# KiCad board PMK_Keyboard_02.kicad_pro.kicad_pcb (continued)
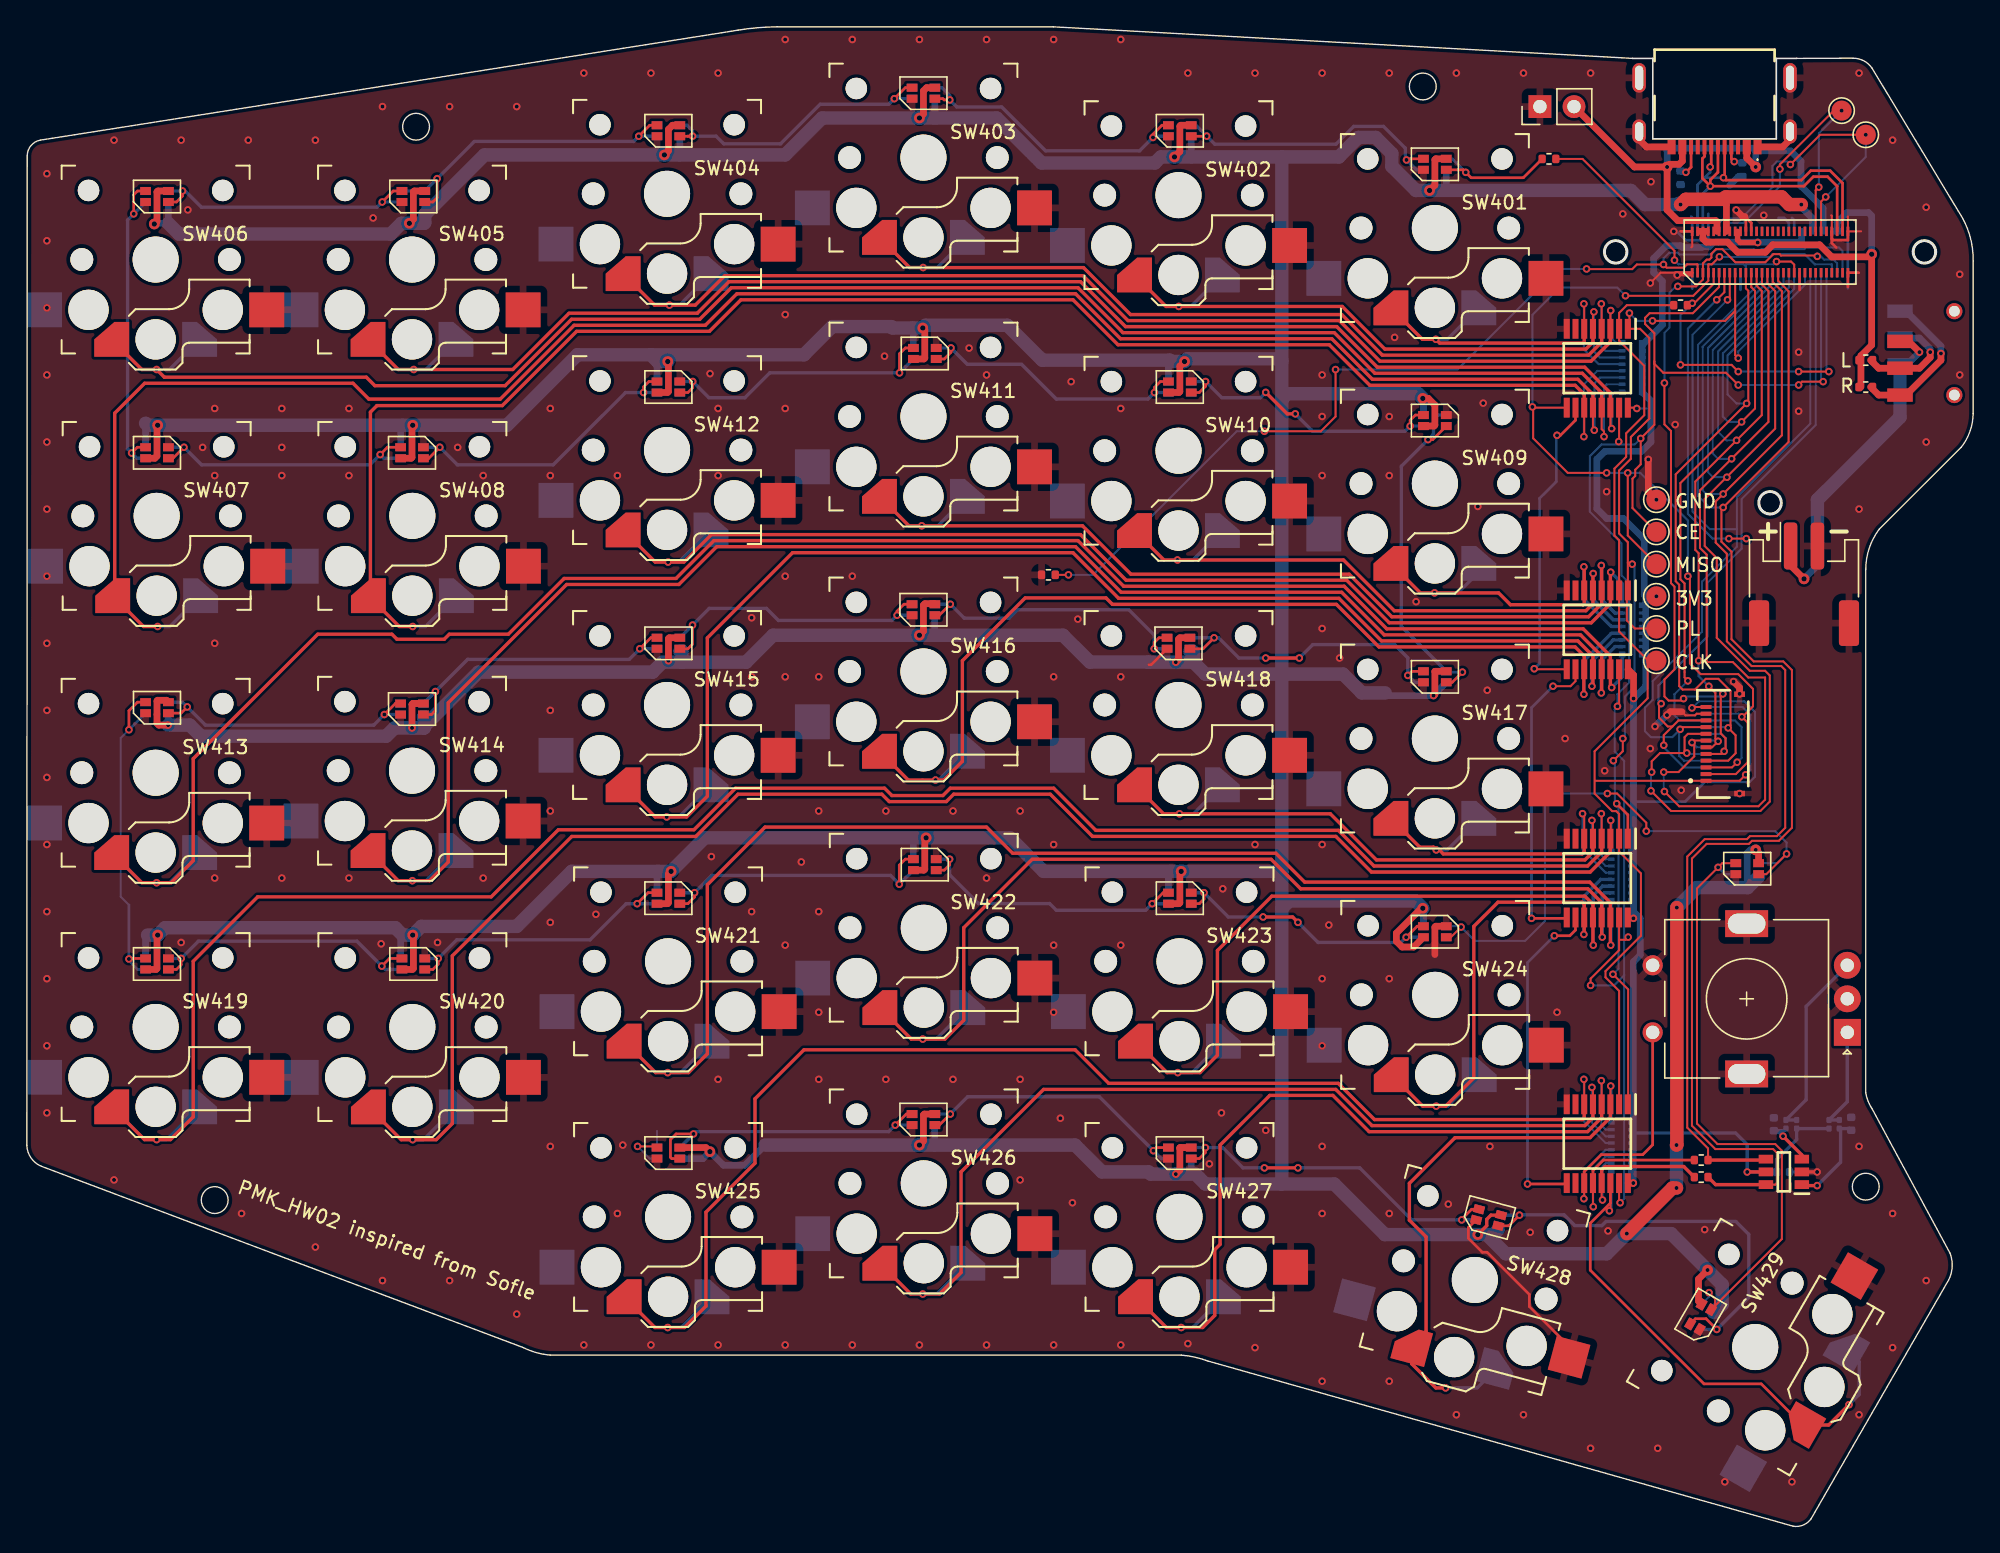
[diagram p0: board, top side]
## Routing (per net, layer and track width the routed paths; a pad name or vN(x,y) marks a point on that pad's centre or on a via; arc(x,y) is an arc through that point) (continued)
/400- Shift Register - Switch/11: length 69.6
  Top w0.25: SW411.1 65.71,74.56 v1(66.67,74.56) 78.64,74.56 82.24,70.95 98.51,70.95 101.68,67.78 116.34,67.78 117.32,68.76 U402.4 117.32,71.58 v1(117.29,71.6)
  Bottom w0.25: SW411.1 67.87,74.56 v1(66.67,74.56) ; v1(117.29,71.6) 117.29,69.08 118.32,68.05 RN402.15
/400- Shift Register - Switch/12: length 88.1
  Top w0.25: v1(117.99,71.1) 117.97,71.08 U402.3 117.97,68.76 116.54,67.33 101.5,67.33 98.32,70.5 81.89,70.5 78.49,73.9 50.99,73.9 48.95,71.86 v1(47.77,71.86) 46.81,71.86 SW412.1
  Bottom w0.25: v1(117.99,71.1) 118.84,70.25 RN402.16 ; SW412.1 48.57,71.86 v1(47.77,71.86)
/400- Shift Register - Switch/13: length 140.8
  Top w0.25: SW413.1 8.56,47.96 v1(9.67,47.96) 10.75,47.96 12.39,49.6 12.39,57.2 21.67,66.48 27.19,66.48 27.57,66.1 31.09,66.1 31.47,66.48 35.87,66.48 40.03,70.64 48.36,70.64 51.18,73.45 78.31,73.45 81.71,70.05 98.14,70.05 101.31,66.88 115.94,66.88 117.97,64.85 U402.14 117.97,62.6 v1(118.06,62.5)
  Bottom w0.25: SW413.1 10.62,47.96 v1(9.67,47.96) ; RN402.9 118.84,63.28 v1(118.06,62.5)
/400- Shift Register - Switch/14: length 124.8
  Top w0.25: SW414.1 27.66,48.11 v1(28.72,48.11) 30,48.11 31.39,49.5 31.39,61.37 40.21,70.19 48.58,70.19 51.39,73 78.12,73 81.52,69.6 97.95,69.6 101.12,66.43 115.74,66.43 117.32,64.85 U402.13 117.32,62.13 v1(117.29,62.1)
  Bottom w0.25: v1(117.29,62.1) 117.29,64.53 118.32,65.55 RN402.10 ; v1(28.72,48.11) 29.72,48.11 SW414.1
/400- Shift Register - Switch/15: length 102.8
  Top w0.25: v1(116.59,62.6) 116.67,62.68 U402.12 116.67,64.85 115.54,65.98 100.92,65.98 97.74,69.15 81.34,69.15 77.94,72.55 57.04,72.55 50.69,66.2 50.69,54.4 49.15,52.86 v1(47.67,52.86) 46.81,52.86 SW415.1
  Bottom w0.25: SW415.1 48.57,52.86 v1(47.67,52.86) ; RN402.11 118.18,66.05 116.59,64.47 v1(116.59,62.6)
/400- Shift Register - Switch/16: length 77.5
  Top w0.25: SW416.1 65.66,55.61 v1(67.69,55.61) 68.3,55.61 69.69,57 69.69,64.5 74.37,69.18 80.39,69.18 80.87,68.7 97.56,68.7 100.73,65.53 115.34,65.53 116.02,64.85 U402.11 115.99,63.84 115.99,62.01 v1(115.99,62)
  Bottom w0.25: SW416.1 67.92,55.61 v1(67.69,55.61) ; v1(115.99,62) 115.99,62.01 115.99,64.5 118.05,66.55 RN402.12
/400- Shift Register - Switch/17: length 28.1
  Top w0.15: v1(115.89,53.1) 116.02,52.98 U403.6
  Top w0.25: U403.6 116.02,50.26 115.87,50.1 105.52,50.1 105.22,50.4 v1(104.99,50.4) 104.79,50.61 103.76,50.61 SW417.1
  Bottom w0.15: v1(115.89,53.1) 115.89,50.43 117.62,48.7 RN403.13
  Bottom w0.25: v1(104.99,50.4) 105.82,50.4 SW417.1
/400- Shift Register - Switch/18: length 47.4
  Top w0.15: U403.5 116.67,52.53 v1(116.59,52.6)
  Top w0.25: U403.5 116.67,50.26 116.07,49.65 100.54,49.65 97.11,53.09 v1(85.87,53.09) 84.68,53.09 SW418.1
  Bottom w0.15: v1(116.59,52.6) 116.59,50.23 117.62,49.2 RN403.14
  Bottom w0.25: v1(85.87,53.09) 86.91,53.09 SW418.1
/400- Shift Register - Switch/19: length 144
  Top w0.15: v1(117.29,53.1) 117.32,53.08 U403.4
  Top w0.25: U403.4 117.32,50.26 116.27,49.2 100.36,49.2 97.7,51.86 79.64,51.86 76.49,55 68.79,55 68.24,54.45 64.44,54.45 63.89,55 52.79,55 49.69,51.9 39.59,51.9 34.59,46.9 17.19,46.9 12.39,42.1 12.39,30.5 10.7,28.81 v1(9.67,28.81) 8.76,28.81 SW419.1
  Bottom w0.15: RN403.15 117.62,49.7 117.29,50.03 v1(117.29,53.1)
  Bottom w0.25: v1(9.67,28.81) 10.42,28.81 SW419.1
/400- Shift Register - Switch/20: length 124
  Top w0.15: v1(117.99,52.6) 117.99,51.27 U403.3
  Top w0.25: U403.3 117.97,50.26 116.47,48.75 100.17,48.75 97.52,51.41 79.39,51.41 76.24,54.55 69.04,54.55 68.49,54 64.24,54 63.69,54.55 52.98,54.55 49.83,51.4 40.59,51.4 31.69,42.5 31.69,30 30.49,28.8 v1(28.74,28.8) 27.89,28.8 SW420.1
  Bottom w0.15: RN403.16 118.04,52.55 v1(117.99,52.6)
  Bottom w0.25: SW420.1 29.55,28.8 v1(28.74,28.8)
/400- Shift Register - Switch/21: length 102.5
  Top w0.25: SW421.1 46.84,33.8 v1(47.74,33.8) 49.29,33.8 50.69,35.2 50.69,47.8 54.99,52.1 71.49,52.1 73.44,50.15 93.04,50.15 95.19,48 116.43,48 117.97,46.47 U403.14 117.97,43.33 v1(117.99,43.3)
  Bottom w0.25: SW421.1 48.7,33.8 v1(47.74,33.8) ; v1(117.99,43.3) 117.99,46.57 RN403.9
/400- Shift Register - Switch/22: length 76.5
  Top w0.25: SW422.1 65.89,36.3 v1(66.74,36.3) 68.39,36.3 69.79,37.7 69.79,44.6 74.89,49.7 92.69,49.7 94.89,47.5 116.29,47.5 117.32,46.48 U403.13 117.32,43.95 v1(117.36,43.9)
  Bottom w0.25: RN403.10 117.52,47.2 117.36,47.05 v1(117.36,43.9) ; SW422.1 67.75,36.3 v1(66.74,36.3)
/400- Shift Register - Switch/23: length 58.1
  Top w0.25: v1(116.69,43.3) 116.67,43.33 U403.12 116.67,46.35 116.07,46.95 92.74,46.95 88.69,42.9 88.69,35.1 87.39,33.8 v1(85.74,33.8) 84.94,33.8 SW423.1
  Bottom w0.25: SW423.1 86.8,33.8 v1(85.74,33.8) ; RN403.11 117.38,47.7 116.69,47.02 v1(116.69,43.3)
/400- Shift Register - Switch/24: length 40.2
  Top w0.25: SW424.1 103.99,31.3 v1(104.99,31.3) 105.69,31.3 107.79,33.4 107.79,44.7 109.59,46.5 115.87,46.5 116.02,46.35 U403.11 116.02,44.13 v1(115.99,44.1)
  Bottom w0.25: v1(115.99,44.1) 115.99,46.95 117.25,48.2 RN403.12 ; SW424.1 105.85,31.3 v1(104.99,31.3)
/400- Shift Register - Switch/25: length 103.1
  Top w0.15: U404.6 116.02,33.28 v1(115.99,33.3)
  Top w0.25: U404.6 116.02,30.46 115.87,30.3 100.39,30.3 97.69,33 80.59,33 78.09,35.5 57.89,35.5 54.24,31.85 54.24,27.05 50.59,23.4 50.59,16.4 48.99,14.8 v1(47.74,14.8) 46.79,14.8 SW425.1
  Bottom w0.15: RN404.13 117.62,28.55 115.99,30.18 v1(115.99,33.3)
  Bottom w0.25: v1(47.74,14.8) 48.75,14.8 SW425.1
/400- Shift Register - Switch/26: length 77.2
  Top w0.15: U404.5 116.67,32.63 v1(116.59,32.7)
  Top w0.25: SW426.1 65.84,17.3 v1(66.74,17.3) 67.99,17.3 69.59,18.9 69.59,26.4 75.74,32.55 97.51,32.55 100.21,29.85 116.07,29.85 116.67,30.46 U404.5
  Bottom w0.15: v1(116.59,32.7) 116.59,30.08 117.62,29.05 RN404.14
  Bottom w0.25: v1(66.74,17.3) 67.8,17.3 SW426.1
/400- Shift Register - Switch/27: length 62.7
  Top w0.15: v1(117.29,33.2) 117.32,33.18 U404.4
  Top w0.25: U404.4 117.32,30.46 116.27,29.4 99.99,29.4 97.29,32.1 92.59,32.1 88.89,28.4 88.89,21 88.49,20.6 88.49,15.7 87.59,14.8 v1(85.99,14.8) 84.89,14.8 SW427.1
  Bottom w0.15: v1(117.29,33.2) 117.29,29.88 117.62,29.55 RN404.15
  Bottom w0.25: SW427.1 86.85,14.8 v1(85.99,14.8)
/400- Shift Register - Switch/28: length 44.1
  Top w0.15: v1(117.99,32.8) 117.97,32.78 U404.3
  Top w0.25: v1(105.69,10.3) 104.97,10.3 103.17,12.1 SW428.1 104.24,14.52 104.24,21.56 102.99,22.8 102.99,25.55 106.39,28.95 116.46,28.95 117.97,30.47 U404.3
  Bottom w0.15: RN404.16 118.04,32.75 v1(117.99,32.8)
  Bottom w0.25: v1(105.69,10.3) 108.04,10.3 SW428.1
/400- Shift Register - Switch/29: length 41.8
  Top w0.15: U404.14 117.97,23.58 v1(117.89,23.5)
  Top w0.2: SW429.1 129.21,10.6 124.94,10.6 116.47,19.08 116.47,22.58 117.97,24.08 U404.14
  Top w0.25: SW429.1 134.23,7.54 v1(135.74,9.05)
  Bottom w0.15: RN404.9 118.04,23.65 v1(117.89,23.5)
  Bottom w0.25: SW429.1 136.5,12.26 136.5,9.81 v1(135.74,9.05)
/400- Shift Register - Switch/30: length 12.9
  Top w0.15: U404.13 117.32,24.37 v1(117.38,24.31)
  Top w0.25: U404.13 117.32,26.55 117.57,26.8 123.44,26.8 R405.2
  Bottom w0.15: RN404.10 117.62,27.05 117.38,26.82 v1(117.38,24.31)
/400- Shift Register - Switch/31: length 15.1
  Top w0.15: v1(116.69,23.8) 116.67,23.83 U404.12
  Top w0.2: R406.2 117.45,27.29 116.67,26.51 U404.12
  Bottom w0.15: RN404.11 117.62,27.55 116.69,26.63 v1(116.69,23.8)
/400- Shift Register - Switch/32: length 21.1
  Top w0.15: U404.11 116.02,24.43 v1(115.99,24.4)
  Top w0.2: SW430.S2 121.12,28.43 120.38,27.69 117.29,27.69 116.02,26.42 U404.11
  Bottom w0.15: v1(115.99,24.4) 115.99,26.43 117.62,28.05 RN404.12
/400- Shift Register - Switch/A: length 7.9
  Bottom w0.25: R402.2 R401.1 135.62,31.63 SW430.A
/400- Shift Register - Switch/B: length 14.2
  Bottom w0.25: R403.1 R404.2 132.55,31.78 132.55,38.74 SW430.B
/400- Shift Register - Switch/F_A: length 7.2
  Top w0.25: v1(133.37,25.38) 132.3,25.38 U405.1
  Bottom w0.25: 133.24,25.38 v1(133.37,25.38) 135.12,27.13 135.12,29.54 R402.1 135.79,29.63 C401.1
/400- Shift Register - Switch/F_B: length 4.1
  Top w0.25: v1(130.83,29.07) 132.23,27.66 U405.3
  Bottom w0.25: v1(130.83,29.07) 130.42,29.47 C402.1 130.89,29.47 R404.1
/500- LEDs/LED_13_14: length 23.8
  Top w0.2: v1(88.44,66.21) 87.62,65.39 D514.3 ; v1(102.88,63.41) 103.18,63.71 D513.4
  Top w0.25: v1(92.29,64.7) v1(94.79,64.7)
  Bottom w0.25: v1(94.79,64.7) 95.79,65.7 101.89,65.7 102.88,64.72 v1(102.88,63.41) 103.39,62.89 D513.4 ; D514.3 88.78,66.21 90.29,64.7 v1(92.29,64.7)
/500- LEDs/LED_26_27: length 26.7
  Top w0.2: v1(87.79,28.21) 87.79,27.84 87.34,27.39 D527.3 ; D526.4 107.63,23.62 106.89,22.88 v1(106.89,22.83)
  Top w0.25: v1(94.69,26.7) v1(92.19,26.7)
  Bottom w0.25: D526.4 v1(106.89,22.83) 103.17,22.83 99.29,26.7 v1(94.69,26.7) ; v1(92.19,26.7) 90.59,26.7 89.08,28.21 v1(87.79,28.21) D527.3
Net-(D501-DO): length 22.7
  Top w0.2: D502.3 87.88,103.59 v1(87.89,103.6) ; v1(102.78,101.83) 102.86,101.91 D501.4
  Bottom w0.25: D501.4 103.51,101.09 v1(102.78,101.83) 102.69,101.91 102.69,102.7 101.07,104.33 98.85,104.33 97.53,103 88.49,103 v1(87.89,103.6) 87.08,104.41 D502.3
Net-(D502-DO): length 22.8
  Top w0.2: v1(83.89,103.5) 83.89,103.74 84.56,104.41 D502.4 ; D503.3 68.24,106.39 68.33,106.3 v1(68.75,106.3)
  Bottom w0.25: D502.4 83.98,103.59 v1(83.89,103.5) 82.89,102.5 75.89,102.5 72.62,105.78 69.28,105.78 v1(68.75,106.3) 68.75,106.63 68.17,107.21 D503.3
Net-(D503-DO): length 22.1
  Top w0.2: D504.3 49.24,103.59 49.25,103.6 v1(49.59,103.6) ; v1(64.62,106.39) 65.44,107.21 D503.4
  Bottom w0.25: D503.4 v1(64.62,106.39) 64.21,105.98 59.1,105.98 56.15,103.03 51.92,103.03 51.34,103.6 v1(49.59,103.6) 49.59,103.99 49.17,104.41 D504.3
Net-(D504-DO): length 23.2
  Top w0.2: D504.4 46.4,104.41 v1(45.58,103.59) ; D505.3 30.24,98.69 30.56,99.01 v1(30.56,100.43)
  Bottom w0.25: D505.3 v1(30.56,100.43) 33.33,103.2 45.19,103.2 v1(45.58,103.59) D504.4
Net-(D505-DO): length 21.5
  Top w0.2: v1(11.59,99.51) 11.59,99.14 11.14,98.69 D506.3 ; v1(26.47,98.69) 27.29,99.51 D505.4
  Bottom w0.25: D505.4 v1(26.47,98.69) 26.08,98.3 13,98.3 11.79,99.51 v1(11.59,99.51) D506.3
Net-(D506-DO): length 24.2
  Top w0.2: v1(7.96,97.81) 7.96,99.23 8.24,99.51 D506.4 ; v1(7.8,79.98) 8.23,80.41 D507.3
  Bottom w0.25: D506.4 v1(7.96,97.81) 7.5,97.35 7.5,80.29 v1(7.8,79.98) 8.19,79.59 D507.3
Net-(D507-DO): length 21.5
  Top w0.2: v1(26.32,79.87) 26.86,80.41 D508.3 ; v1(11.7,80.41) 10.88,79.59 D507.4
  Bottom w0.25: D507.4 v1(11.7,80.41) 13.01,79.1 25.55,79.1 v1(26.32,79.87) 26.59,79.59 D508.3
Net-(D508-DO): length 23.3
  Top w0.2: v1(30.76,80.41) 29.94,79.59 D508.4 ; D509.3 46.34,85.31 45.94,84.91 v1(45.94,84.49)
  Bottom w0.25: D508.4 v1(30.76,80.41) 32.07,79.1 39.21,79.1 44.6,84.49 v1(45.94,84.49) D509.3
Net-(D509-DO): length 23.3
  Top w0.2: D509.4 49.24,84.49 49.6,84.85 v1(49.6,85.31) ; D510.3 65.44,87.81 65.01,87.38 v1(65.01,85.96)
  Bottom w0.25: D510.3 v1(65.01,85.96) 55.35,85.96 53.49,84.1 50.81,84.1 v1(49.6,85.31) D509.4
Net-(D510-DO): length 22.3
  Top w0.2: D511.3 84.44,85.31 84,84.87 v1(84,84.49) ; D510.4 68.34,86.99 68.84,87.49 v1(68.84,87.81)
  Bottom w0.25: D511.3 v1(84,84.49) 83.51,84 76.69,84 74.1,86.6 70.06,86.6 v1(68.84,87.81) D510.4
Net-(D511-DO): length 22.5
  Top w0.2: D512.3 103.44,82.81 103.05,82.42 v1(103.05,81.99) ; v1(87.81,85.31) 87.81,84.96 87.34,84.49 D511.4
  Top w0.25: v1(94.49,82.9) 93.89,82.9 v1(92.29,84.5)
  Bottom w0.25: v1(92.29,84.5) 91.89,84.1 89.02,84.1 v1(87.81,85.31) D511.4 ; v1(94.49,82.9) 95.79,81.6 102.66,81.6 v1(103.05,81.99) D512.3
Net-(D512-DO): length 26.8
  Top w0.2: v1(104.38,80.98) 104.73,80.98 D512.4 ; v1(106.94,63.65) 106.18,62.89 D513.3
  Bottom w0.2: D513.3 105.8,63.65 v1(106.94,63.65)
  Bottom w0.25: D513.3 102.39,67.06 102.39,78.99 v1(104.38,80.98) 104.79,81.39 104.79,82.51 105.09,82.81 D512.4
Net-(D514-DO): length 22.8
  Top w0.2: v1(83.98,65.39) 83.98,65.85 84.34,66.21 D514.4 ; D515.3 67.97,67.89 v1(68.79,68.71)
  Bottom w0.25: D515.3 v1(68.79,68.71) 69.83,67.68 73.17,67.68 73.79,68.3 82.09,68.3 83.98,66.41 v1(83.98,65.39) D514.4
Net-(D515-DO): length 22.9
  Top w0.2: D515.4 65.34,68.71 64.82,68.19 64.82,67.9 v1(64.83,67.89) ; D516.3 49.24,65.39 49.59,65.74 v1(49.59,67.16)
  Bottom w0.25: D516.3 v1(49.59,67.16) 50.83,68.4 55.09,68.4 55.99,67.5 64.44,67.5 v1(64.83,67.89) D515.4
Net-(D516-DO): length 23.1
  Top w0.2: D517.3 30.14,60.49 30.44,60.79 v1(30.44,62.21) ; v1(45.66,65.39) 46.48,66.21 D516.4
  Bottom w0.25: D517.3 v1(30.44,62.21) 32.83,64.6 44.87,64.6 v1(45.66,65.39) D516.4
Net-(D517-DO): length 21.5
  Top w0.2: D517.4 27.45,61.31 v1(26.63,60.49) ; v1(11.95,61.06) 11.48,60.59 D518.3
  Bottom w0.25: D518.3 11.59,61.41 v1(11.95,61.06) 13.3,59.7 25.84,59.7 v1(26.63,60.49) D517.4
Net-(D518-DO): length 25.2
  Top w0.2: D519.3 7.65,42.31 v1(7.61,42.27) ; D518.4 8.24,61.41 7.61,60.78 v1(7.61,59.36)
  Bottom w0.15: v1(7.61,59.36) 6.99,58.74 6.99,46.92 7.61,46.3
  Bottom w0.2: v1(7.61,59.36) D518.4 ; 7.61,46.3 v1(7.61,42.27) 7.61,42.13 8.24,41.49 D519.3
Net-(D519-DO): length 22.1
  Top w0.2: D519.4 11.14,41.49 11.49,41.84 v1(11.49,42.31) ; v1(26.44,41.74) 27.01,42.31 D520.3
  Bottom w0.25: D519.4 v1(11.49,42.31) 12.78,43.6 24.58,43.6 v1(26.44,41.74) 26.69,41.49 D520.3
Net-(D520-DO): length 22.4
  Top w0.2: D521.3 46.28,47.21 v1(45.46,46.39) ; v1(30.64,42.31) 30.64,41.89 30.24,41.49 D520.4
  Bottom w0.25: D521.3 v1(45.46,46.39) 44.65,46.39 41.96,43.7 32.03,43.7 v1(30.64,42.31) D520.4
Net-(D521-DO): length 22.9
  Top w0.2: v1(49.74,47.21) 49.74,46.89 49.24,46.39 D521.4 ; D522.3 65.44,49.71 64.99,49.26 v1(64.99,47.84)
  Bottom w0.25: D522.3 v1(64.99,47.84) 64.33,48.5 51.03,48.5 v1(49.74,47.21) D521.4
Net-(D522-DO): length 22.9
  Top w0.2: v1(68.74,49.71) 68.74,49.29 68.34,48.89 D522.4 ; D523.3 84.65,47.21 v1(83.83,46.39)
  Bottom w0.25: D522.4 v1(68.74,49.71) 68.74,48.55 70.89,46.4 76.19,46.4 76.69,45.9 83.34,45.9 v1(83.83,46.39) D523.3
Net-(D523-DO): length 22.2
  Top w0.2: D523.4 87.34,46.39 87.69,46.74 v1(87.69,47.21) ; D524.3 103.57,44.71 v1(102.75,43.89)
  Top w0.25: v1(92.09,45.4) 94.29,45.4 v1(94.69,45)
  Bottom w0.25: v1(92.09,45.4) 89.5,45.4 v1(87.69,47.21) D523.4 ; D524.3 v1(102.75,43.89) 102.36,43.5 96.19,43.5 v1(94.69,45)
Net-(D524-DO): length 44.6
  Top w0.15: D530.3 129.58,48.59 v1(131.09,50.1) ; D524.4 106.08,43.89 v1(106.84,44.65) ; v1(120.64,51.8) 120.64,52.43 118.47,54.6 v1(117.74,54.6)
  Bottom w0.15: v1(117.74,54.6) 114.04,54.6 113.09,53.65 113.09,45.1 111.61,43.62 107.87,43.62 v1(106.84,44.65) 106.78,44.71 D524.4 ; v1(120.64,51.8) 130.24,51.8 131.09,50.95 v1(131.09,50.1) 130.4,49.41 D530.3
Net-(D525-DIN): length 46.6
  Top w0.15: D530.4 126.3,49.41 v1(125.99,49.1) 124.42,47.53 124.42,30.01 125.95,28.48 130.25,28.48 130.74,27.99 130.74,21.41 D525.3 125.77,16.43 125.77,16.95 v1(125.31,17.4)
  Bottom w0.15: D525.3 125.31,17.1 v1(125.31,17.4)
  Bottom w0.2: v1(125.99,49.1) 126.5,48.59 D530.4
Net-(D525-DO): length 33.1
  Top w0.2: v1(111.19,23.18) 110.4,22.39 D526.3 ; D525.4 124.3,15.46 125.1,15.46 v1(125.89,14.66)
  Bottom w0.25: D526.3 v1(111.19,23.18) 111.22,23.21 114.52,23.21 115.32,22.4 117.34,22.4 117.64,22.71 127.32,22.71 128.28,21.74 128.28,17.05 v1(125.89,14.66) D525.4
Net-(D527-DO): length 22.5
  Top w0.2: v1(68.79,30.71) 67.97,29.89 D528.3 ; v1(83.92,27.98) 84.15,28.21 D527.4
  Bottom w0.25: D528.3 v1(68.79,30.71) 70.08,32 79.9,32 v1(83.92,27.98) 84.51,27.39 D527.4
Net-(D528-DO): length 23.5
  Top w0.2: D528.4 65.51,30.71 v1(64.69,29.89) ; D529.3 48.04,27.39 47.94,27.49 47.94,28.81 48.36,29.23 v1(49.66,29.23)
  Bottom w0.25: D528.4 v1(64.69,29.89) 64.2,29.4 49.83,29.4 v1(49.66,29.23) D529.3
Net-(J303-Pin_1): length 24.3
  Top w0.5: 140.19,88.3 v1(140.99,87.5) ; J303.1 131.39,71.6 v2(132.39,70.6)
  Bottom w0.5: 140.04,86.55 v1(140.99,87.5) ; J303.1 133.39,71.6 v2(132.39,70.6)
  Bottom w1: SW301.3 139.54,82.65 133.39,76.5 J303.1
Net-(SW301-A): length 10.8
  Top w0.5: v1(142.59,87.4) 142.59,86.9 139.99,84.3 ; SW301.1 137.95,84.3 137.35,84.9
  Bottom w0.5: 139.99,90.55 142.59,87.95 v1(142.59,87.4)
Net-(SW301-C): length 8
  Top w0.5: v1(141.79,87.5) 141.79,87.1 140.99,86.3 SW301.2 137.95,86.3 137.35,86.9
  Bottom w0.5: SW301.2 140.99,88.55 141.79,87.75
unconnected-(D529-DO-Pad4): length 3.3
  Top w0.15: D529.4 46.85,28.3 v1(45.49,28.3)
  Bottom w0.15: v1(45.49,28.3) 46.4,27.39 D529.4

## Copper pours and planes (outline as drawn; the poured copper is in the pictures)
GND on Top, Bottom: -11.01,118.3 153.99,118.3 153.99,-1.7 -11.01,-1.7

## Text on the board
B.Silkscreen: PMK_HW02 inspired from Sofle | +   -
User.Eco1: s18 | s24 | s12 | s17 | s23 | s11 | s10 | s4 | s16 | s22 | s30 | s29 | s9 | s3 | s15 | s21 | s8 | s2 | s14 | s20 | s28 | s1 | s7 | s13 | s19 | s27 | s26 | s25
F.Silkscreen: GND | CE | MISO | CLK | 3V3 | PL | L | R | PMK_HW02 inspired from Sofle | +   -
